# KiCad board LI-ION_Charger.kicad_pcb (continued)
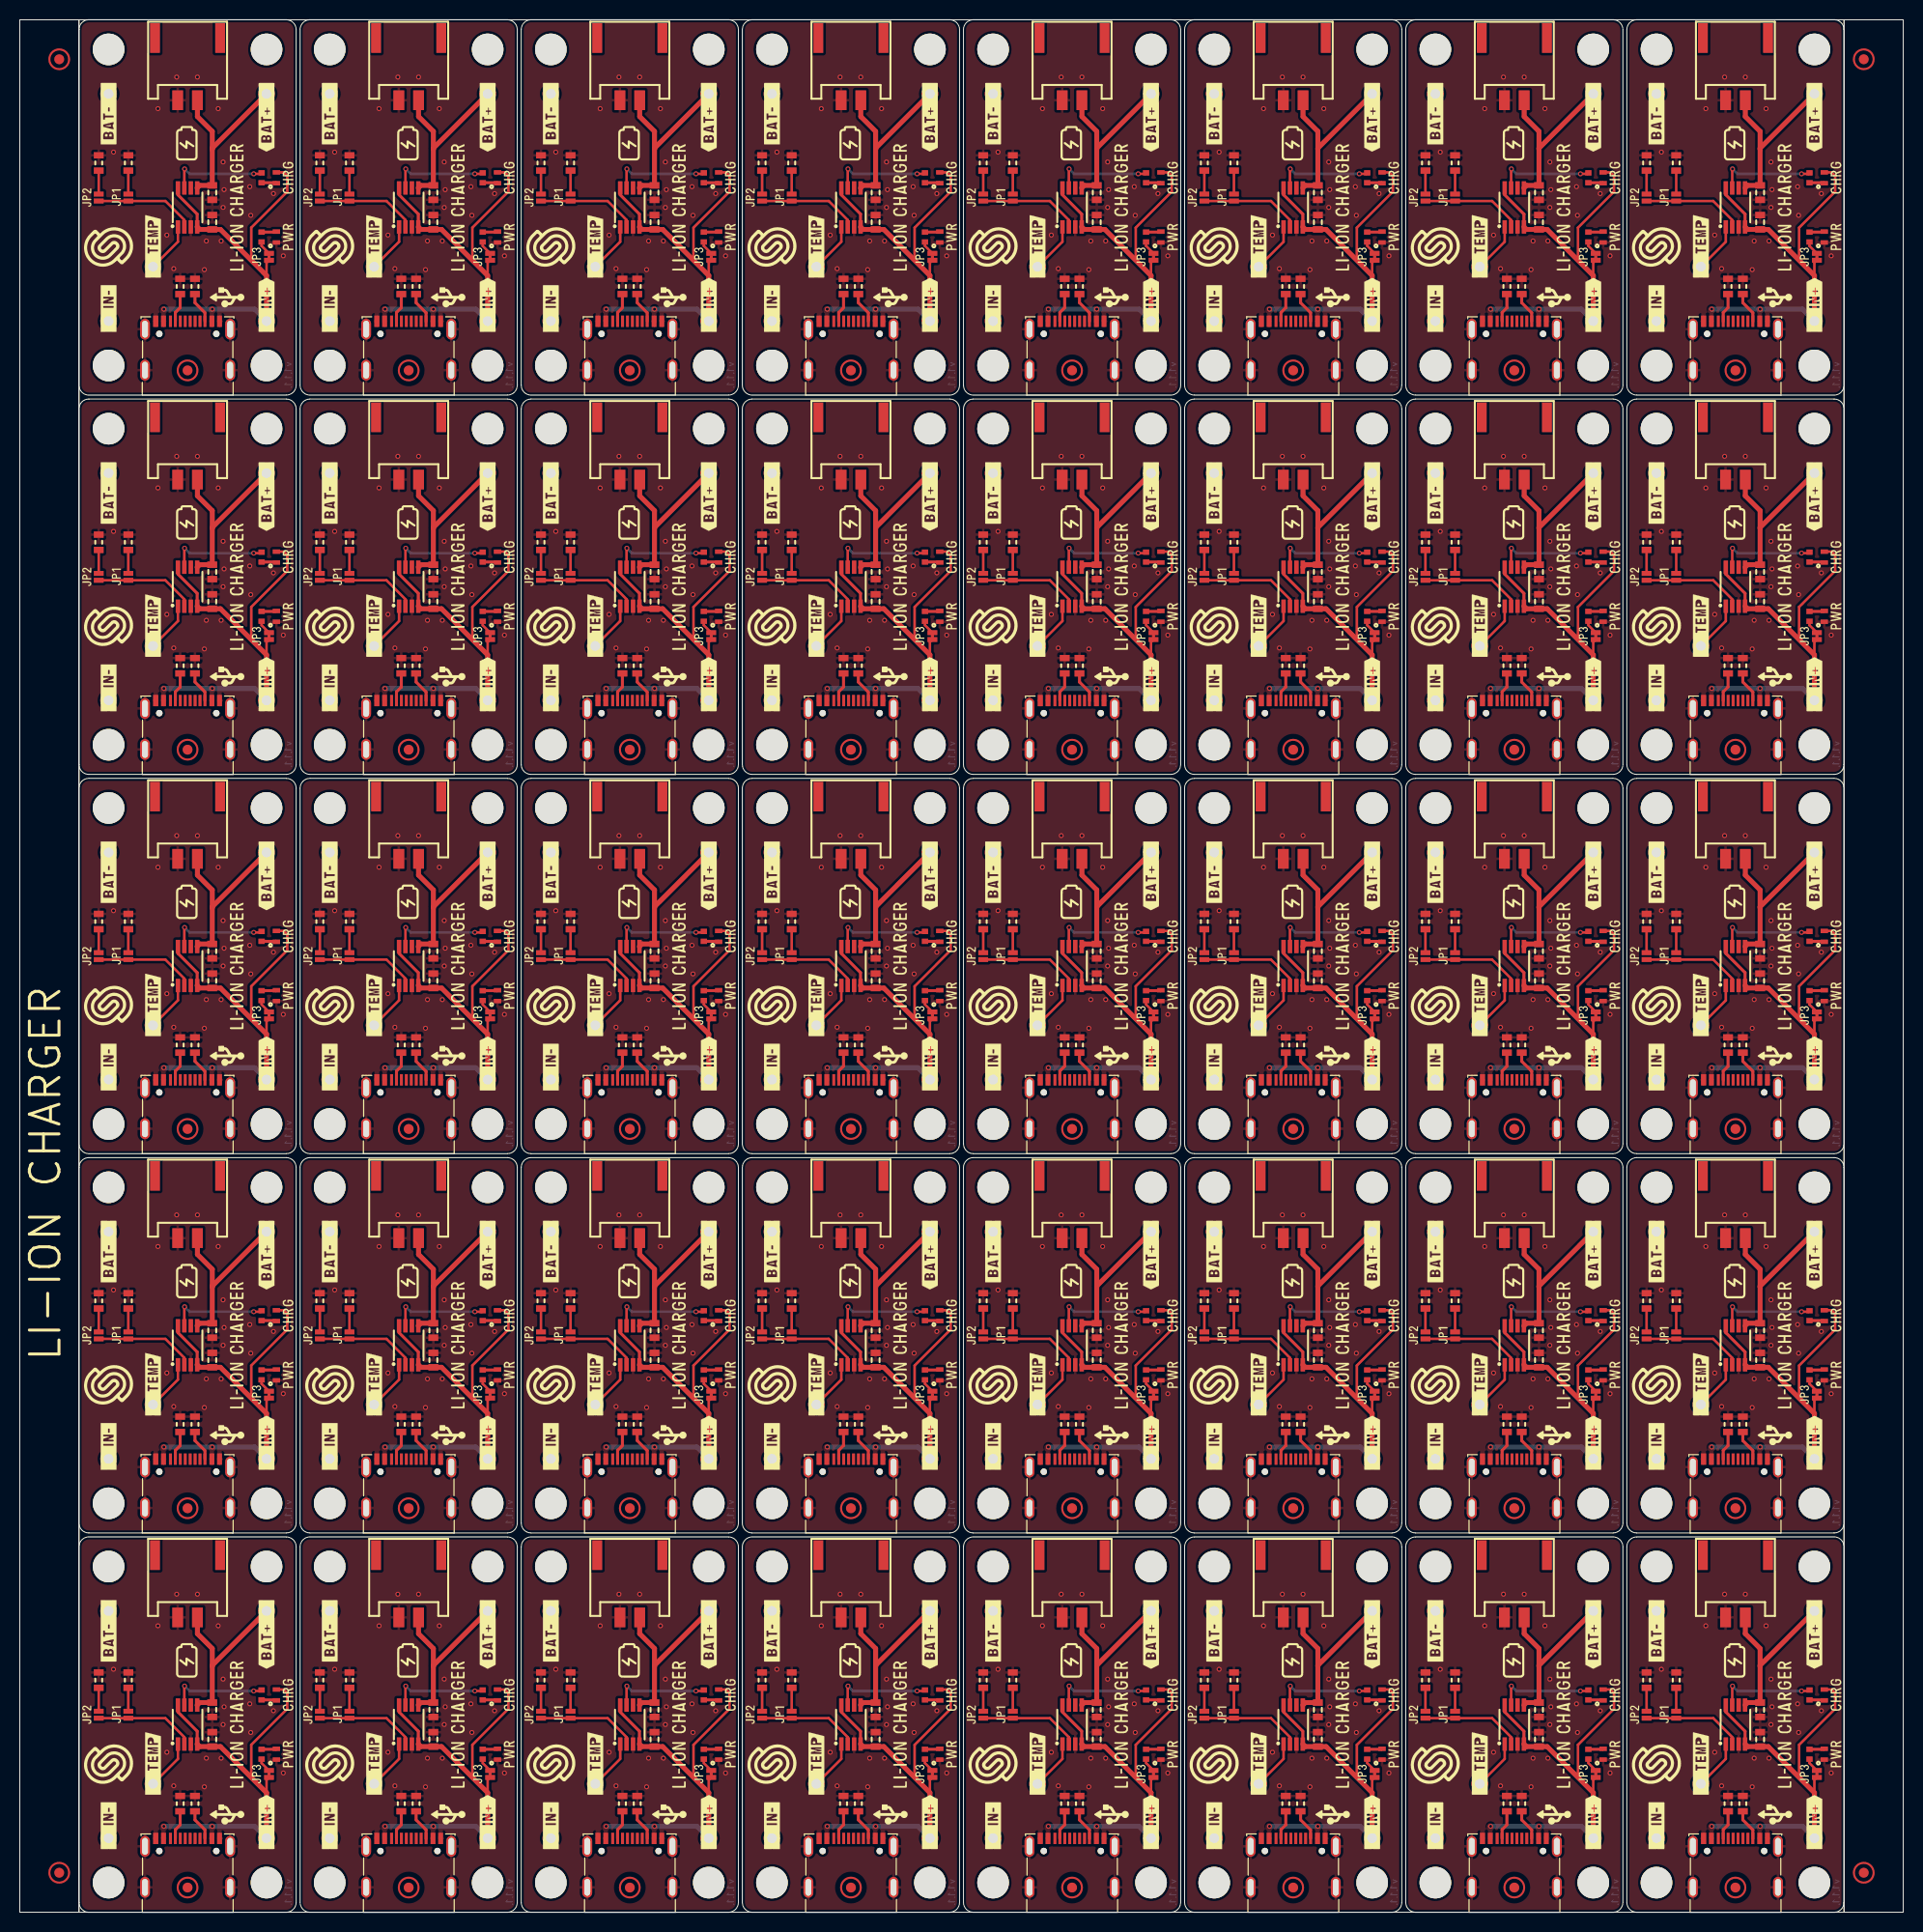
[diagram p0: board, top side]
## Placement (name value [footprint] x y rotation side) (continued)
H1#5  -  [HOLE_3.2mm]  9 35 0 top
H1#6  -  [HOLE_3.2mm]  98.6 35 0 top
H1#7  -  [HOLE_3.2mm]  9 111.8 0 top
H1#8  -  [HOLE_3.2mm]  165.8 111.8 0 top
H1#9  -  [HOLE_3.2mm]  98.6 188.6 0 top
H1#10  -  [HOLE_3.2mm]  143.4 150.2 0 top
H1#11  -  [HOLE_3.2mm]  76.2 35 0 top
H1#12  -  [HOLE_3.2mm]  143.4 111.8 0 top
H1#13  -  [HOLE_3.2mm]  143.4 188.6 0 top
H1#14  -  [HOLE_3.2mm]  121 35 0 top
H1#15  -  [HOLE_3.2mm]  121 150.2 0 top
H1#16  -  [HOLE_3.2mm]  143.4 73.4 0 top
H1#17  -  [HOLE_3.2mm]  121 188.6 0 top
H1#18  -  [HOLE_3.2mm]  76.2 150.2 0 top
H1#19  -  [HOLE_3.2mm]  165.8 73.4 0 top
H1#20  -  [HOLE_3.2mm]  165.8 188.6 0 top
H1#21  -  [HOLE_3.2mm]  53.8 111.8 0 top
H1#22  -  [HOLE_3.2mm]  31.4 35 0 top
H1#23  -  [HOLE_3.2mm]  121 111.8 0 top
H1#24  -  [HOLE_3.2mm]  143.4 35 0 top
H1#25  -  [HOLE_3.2mm]  76.2 188.6 0 top
H1#26  -  [HOLE_3.2mm]  76.2 73.4 0 top
H1#27  -  [HOLE_3.2mm]  31.4 73.4 0 top
H1#28  -  [HOLE_3.2mm]  53.8 150.2 0 top
H1#29  -  [HOLE_3.2mm]  165.8 150.2 0 top
H1#30  -  [HOLE_3.2mm]  53.8 73.4 0 top
H1#31  -  [HOLE_3.2mm]  76.2 111.8 0 top
H1#32  -  [HOLE_3.2mm]  53.8 35 0 top
H1#33  -  [HOLE_3.2mm]  9 150.2 0 top
H1#34  -  [HOLE_3.2mm]  9 73.4 0 top
H1#35  -  [HOLE_3.2mm]  31.4 150.2 0 top
H1#36  -  [HOLE_3.2mm]  9 188.6 0 top
H1#37  -  [HOLE_3.2mm]  98.6 73.4 0 top
H1#38  -  [HOLE_3.2mm]  165.8 35 0 top
H1#39  -  [HOLE_3.2mm]  31.4 111.8 0 top
H1#40  -  [HOLE_3.2mm]  53.8 188.6 0 top
H2  -  [HOLE_3.2mm]  9 3 0 top
H2#2  -  [HOLE_3.2mm]  53.8 3 0 top
H2#3  -  [HOLE_3.2mm]  31.4 156.6 0 top
H2#4  -  [HOLE_3.2mm]  31.4 79.8 0 top
H2#5  -  [HOLE_3.2mm]  165.8 3 0 top
H2#6  -  [HOLE_3.2mm]  143.4 3 0 top
H2#7  -  [HOLE_3.2mm]  121 118.2 0 top
H2#8  -  [HOLE_3.2mm]  98.6 156.6 0 top
H2#9  -  [HOLE_3.2mm]  121 79.8 0 top
H2#10  -  [HOLE_3.2mm]  9 118.2 0 top
H2#11  -  [HOLE_3.2mm]  165.8 118.2 0 top
H2#12  -  [HOLE_3.2mm]  53.8 118.2 0 top
H2#13  -  [HOLE_3.2mm]  98.6 41.4 0 top
H2#14  -  [HOLE_3.2mm]  76.2 3 0 top
H2#15  -  [HOLE_3.2mm]  98.6 3 0 top
H2#16  -  [HOLE_3.2mm]  31.4 3 0 top
H2#17  -  [HOLE_3.2mm]  31.4 41.4 0 top
H2#18  -  [HOLE_3.2mm]  9 41.4 0 top
H2#19  -  [HOLE_3.2mm]  121 41.4 0 top
H2#20  -  [HOLE_3.2mm]  31.4 118.2 0 top
H2#21  -  [HOLE_3.2mm]  76.2 41.4 0 top
H2#22  -  [HOLE_3.2mm]  143.4 118.2 0 top
H2#23  -  [HOLE_3.2mm]  143.4 156.6 0 top
H2#24  -  [HOLE_3.2mm]  9 156.6 0 top
H2#25  -  [HOLE_3.2mm]  98.6 118.2 0 top
H2#26  -  [HOLE_3.2mm]  98.6 79.8 0 top
H2#27  -  [HOLE_3.2mm]  9 79.8 0 top
H2#28  -  [HOLE_3.2mm]  165.8 79.8 0 top
H2#29  -  [HOLE_3.2mm]  143.4 41.4 0 top
H2#30  -  [HOLE_3.2mm]  76.2 156.6 0 top
H2#31  -  [HOLE_3.2mm]  121 3 0 top
H2#32  -  [HOLE_3.2mm]  143.4 79.8 0 top
H2#33  -  [HOLE_3.2mm]  165.8 41.4 0 top
H2#34  -  [HOLE_3.2mm]  53.8 79.8 0 top
H2#35  -  [HOLE_3.2mm]  121 156.6 0 top
H2#36  -  [HOLE_3.2mm]  53.8 156.6 0 top
H2#37  -  [HOLE_3.2mm]  76.2 79.8 0 top
H2#38  -  [HOLE_3.2mm]  165.8 156.6 0 top
H2#39  -  [HOLE_3.2mm]  76.2 118.2 0 top
H2#40  -  [HOLE_3.2mm]  53.8 41.4 0 top
H3  -  [HOLE_3.2mm]  69.8 111.8 0 top
H3#2  -  [HOLE_3.2mm]  25 73.4 0 top
H3#3  -  [HOLE_3.2mm]  69.8 188.6 0 top
H3#4  -  [HOLE_3.2mm]  181.8 73.4 0 top
H3#5  -  [HOLE_3.2mm]  92.2 35 0 top
H3#6  -  [HOLE_3.2mm]  137 188.6 0 top
H3#7  -  [HOLE_3.2mm]  47.4 73.4 0 top
H3#8  -  [HOLE_3.2mm]  92.2 73.4 0 top
H3#9  -  [HOLE_3.2mm]  92.2 111.8 0 top
H3#10  -  [HOLE_3.2mm]  181.8 188.6 0 top
H3#11  -  [HOLE_3.2mm]  181.8 35 0 top
H3#12  -  [HOLE_3.2mm]  137 35 0 top
H3#13  -  [HOLE_3.2mm]  159.4 35 0 top
H3#14  -  [HOLE_3.2mm]  25 150.2 0 top
H3#15  -  [HOLE_3.2mm]  25 35 0 top
H3#16  -  [HOLE_3.2mm]  92.2 188.6 0 top
H3#17  -  [HOLE_3.2mm]  92.2 150.2 0 top
H3#18  -  [HOLE_3.2mm]  69.8 73.4 0 top
H3#19  -  [HOLE_3.2mm]  114.6 73.4 0 top
H3#20  -  [HOLE_3.2mm]  47.4 35 0 top
H3#21  -  [HOLE_3.2mm]  114.6 150.2 0 top
H3#22  -  [HOLE_3.2mm]  159.4 111.8 0 top
H3#23  -  [HOLE_3.2mm]  137 73.4 0 top
H3#24  -  [HOLE_3.2mm]  181.8 150.2 0 top
H3#25  -  [HOLE_3.2mm]  25 111.8 0 top
H3#26  -  [HOLE_3.2mm]  159.4 73.4 0 top
H3#27  -  [HOLE_3.2mm]  114.6 35 0 top
H3#28  -  [HOLE_3.2mm]  137 111.8 0 top
H3#29  -  [HOLE_3.2mm]  137 150.2 0 top
H3#30  -  [HOLE_3.2mm]  47.4 150.2 0 top
H3#31  -  [HOLE_3.2mm]  181.8 111.8 0 top
H3#32  -  [HOLE_3.2mm]  47.4 188.6 0 top
H3#33  -  [HOLE_3.2mm]  47.4 111.8 0 top
H3#34  -  [HOLE_3.2mm]  159.4 188.6 0 top
H3#35  -  [HOLE_3.2mm]  69.8 35 0 top
H3#36  -  [HOLE_3.2mm]  114.6 188.6 0 top
H3#37  -  [HOLE_3.2mm]  114.6 111.8 0 top
H3#38  -  [HOLE_3.2mm]  69.8 150.2 0 top
H3#39  -  [HOLE_3.2mm]  25 188.6 0 top
H3#40  -  [HOLE_3.2mm]  159.4 150.2 0 top
H4  -  [HOLE_3.2mm]  114.6 3 0 top
H4#2  -  [HOLE_3.2mm]  114.6 118.2 0 top
H4#3  -  [HOLE_3.2mm]  159.4 79.8 0 top
H4#4  -  [HOLE_3.2mm]  47.4 41.4 0 top
H4#5  -  [HOLE_3.2mm]  159.4 3 0 top
H4#6  -  [HOLE_3.2mm]  25 79.8 0 top
H4#7  -  [HOLE_3.2mm]  159.4 41.4 0 top
H4#8  -  [HOLE_3.2mm]  47.4 118.2 0 top
H4#9  -  [HOLE_3.2mm]  92.2 118.2 0 top
H4#10  -  [HOLE_3.2mm]  137 3 0 top
H4#11  -  [HOLE_3.2mm]  137 79.8 0 top
H4#12  -  [HOLE_3.2mm]  25 156.6 0 top
H4#13  -  [HOLE_3.2mm]  69.8 156.6 0 top
H4#14  -  [HOLE_3.2mm]  114.6 41.4 0 top
H4#15  -  [HOLE_3.2mm]  137 41.4 0 top
H4#16  -  [HOLE_3.2mm]  69.8 41.4 0 top
H4#17  -  [HOLE_3.2mm]  25 3 0 top
H4#18  -  [HOLE_3.2mm]  47.4 3 0 top
H4#19  -  [HOLE_3.2mm]  92.2 156.6 0 top
H4#20  -  [HOLE_3.2mm]  181.8 156.6 0 top
H4#21  -  [HOLE_3.2mm]  181.8 118.2 0 top
H4#22  -  [HOLE_3.2mm]  25 118.2 0 top
H4#23  -  [HOLE_3.2mm]  92.2 41.4 0 top
H4#24  -  [HOLE_3.2mm]  92.2 3 0 top
H4#25  -  [HOLE_3.2mm]  47.4 156.6 0 top
H4#26  -  [HOLE_3.2mm]  181.8 79.8 0 top
H4#27  -  [HOLE_3.2mm]  137 118.2 0 top
H4#28  -  [HOLE_3.2mm]  114.6 79.8 0 top
H4#29  -  [HOLE_3.2mm]  25 41.4 0 top
H4#30  -  [HOLE_3.2mm]  69.8 118.2 0 top
H4#31  -  [HOLE_3.2mm]  181.8 3 0 top
H4#32  -  [HOLE_3.2mm]  69.8 3 0 top
H4#33  -  [HOLE_3.2mm]  47.4 79.8 0 top
H4#34  -  [HOLE_3.2mm]  159.4 156.6 0 top
H4#35  -  [HOLE_3.2mm]  114.6 156.6 0 top
H4#36  -  [HOLE_3.2mm]  92.2 79.8 0 top
H4#37  -  [HOLE_3.2mm]  137 156.6 0 top
H4#38  -  [HOLE_3.2mm]  181.8 41.4 0 top
H4#39  -  [HOLE_3.2mm]  159.4 118.2 0 top
H4#40  -  [HOLE_3.2mm]  69.8 79.8 0 top
JP1  -  [SMD_JUMPER]  78.2 96.8 270 top
JP1#2  -  [SMD_JUMPER]  145.4 58.4 270 top
JP1#3  -  [SMD_JUMPER]  100.6 58.4 270 top
JP1#4  -  [SMD_JUMPER]  167.8 173.6 270 top
JP1#5  -  [SMD_JUMPER]  100.6 96.8 270 top
JP1#6  -  [SMD_JUMPER]  123 20 270 top
JP1#7  -  [SMD_JUMPER]  11 173.6 270 top
JP1#8  -  [SMD_JUMPER]  145.4 20 270 top
JP1#9  -  [SMD_JUMPER]  33.4 58.4 270 top
JP1#10  -  [SMD_JUMPER]  78.2 173.6 270 top
JP1#11  -  [SMD_JUMPER]  100.6 173.6 270 top
JP1#12  -  [SMD_JUMPER]  33.4 173.6 270 top
JP1#13  -  [SMD_JUMPER]  100.6 135.2 270 top
JP1#14  -  [SMD_JUMPER]  11 58.4 270 top
JP1#15  -  [SMD_JUMPER]  33.4 96.8 270 top
JP1#16  -  [SMD_JUMPER]  55.8 173.6 270 top
JP1#17  -  [SMD_JUMPER]  167.8 58.4 270 top
JP1#18  -  [SMD_JUMPER]  167.8 96.8 270 top
JP1#19  -  [SMD_JUMPER]  33.4 135.2 270 top
JP1#20  -  [SMD_JUMPER]  55.8 135.2 270 top
JP1#21  -  [SMD_JUMPER]  145.4 135.2 270 top
JP1#22  -  [SMD_JUMPER]  145.4 96.8 270 top
JP1#23  -  [SMD_JUMPER]  55.8 20 270 top
JP1#24  -  [SMD_JUMPER]  11 20 270 top
JP1#25  -  [SMD_JUMPER]  78.2 20 270 top
JP1#26  -  [SMD_JUMPER]  167.8 135.2 270 top
JP1#27  -  [SMD_JUMPER]  167.8 20 270 top
JP1#28  -  [SMD_JUMPER]  123 58.4 270 top
JP1#29  -  [SMD_JUMPER]  123 173.6 270 top
JP1#30  -  [SMD_JUMPER]  78.2 58.4 270 top
JP1#31  -  [SMD_JUMPER]  78.2 135.2 270 top
JP1#32  -  [SMD_JUMPER]  145.4 173.6 270 top
JP1#33  -  [SMD_JUMPER]  55.8 96.8 270 top
JP1#34  -  [SMD_JUMPER]  123 135.2 270 top
JP1#35  -  [SMD_JUMPER]  11 135.2 270 top
JP1#36  -  [SMD_JUMPER]  33.4 20 270 top
JP1#37  -  [SMD_JUMPER]  123 96.8 270 top
JP1#38  -  [SMD_JUMPER]  55.8 58.4 270 top
JP1#39  -  [SMD_JUMPER]  100.6 20 270 top
JP1#40  -  [SMD_JUMPER]  11 96.8 270 top
JP2  SMD-JUMPER-CONNECTED  [SMD_JUMPER_CONNECTED]  97.6 135.2 270 top
JP2#2  SMD-JUMPER-CONNECTED  [SMD_JUMPER_CONNECTED]  52.8 96.8 270 top
JP2#3  SMD-JUMPER-CONNECTED  [SMD_JUMPER_CONNECTED]  120 135.2 270 top
JP2#4  SMD-JUMPER-CONNECTED  [SMD_JUMPER_CONNECTED]  30.4 96.8 270 top
JP2#5  SMD-JUMPER-CONNECTED  [SMD_JUMPER_CONNECTED]  120 20 270 top
JP2#6  SMD-JUMPER-CONNECTED  [SMD_JUMPER_CONNECTED]  97.6 96.8 270 top
JP2#7  SMD-JUMPER-CONNECTED  [SMD_JUMPER_CONNECTED]  8 58.4 270 top
JP2#8  SMD-JUMPER-CONNECTED  [SMD_JUMPER_CONNECTED]  120 96.8 270 top
JP2#9  SMD-JUMPER-CONNECTED  [SMD_JUMPER_CONNECTED]  164.8 135.2 270 top
JP2#10  SMD-JUMPER-CONNECTED  [SMD_JUMPER_CONNECTED]  164.8 173.6 270 top
JP2#11  SMD-JUMPER-CONNECTED  [SMD_JUMPER_CONNECTED]  75.2 58.4 270 top
JP2#12  SMD-JUMPER-CONNECTED  [SMD_JUMPER_CONNECTED]  164.8 96.8 270 top
JP2#13  SMD-JUMPER-CONNECTED  [SMD_JUMPER_CONNECTED]  142.4 58.4 270 top
JP2#14  SMD-JUMPER-CONNECTED  [SMD_JUMPER_CONNECTED]  142.4 135.2 270 top
JP2#15  SMD-JUMPER-CONNECTED  [SMD_JUMPER_CONNECTED]  142.4 96.8 270 top
JP2#16  SMD-JUMPER-CONNECTED  [SMD_JUMPER_CONNECTED]  75.2 20 270 top
JP2#17  SMD-JUMPER-CONNECTED  [SMD_JUMPER_CONNECTED]  142.4 20 270 top
JP2#18  SMD-JUMPER-CONNECTED  [SMD_JUMPER_CONNECTED]  52.8 135.2 270 top
JP2#19  SMD-JUMPER-CONNECTED  [SMD_JUMPER_CONNECTED]  164.8 20 270 top
JP2#20  SMD-JUMPER-CONNECTED  [SMD_JUMPER_CONNECTED]  30.4 58.4 270 top
JP2#21  SMD-JUMPER-CONNECTED  [SMD_JUMPER_CONNECTED]  52.8 20 270 top
JP2#22  SMD-JUMPER-CONNECTED  [SMD_JUMPER_CONNECTED]  75.2 96.8 270 top
JP2#23  SMD-JUMPER-CONNECTED  [SMD_JUMPER_CONNECTED]  120 58.4 270 top
JP2#24  SMD-JUMPER-CONNECTED  [SMD_JUMPER_CONNECTED]  142.4 173.6 270 top
JP2#25  SMD-JUMPER-CONNECTED  [SMD_JUMPER_CONNECTED]  8 20 270 top
JP2#26  SMD-JUMPER-CONNECTED  [SMD_JUMPER_CONNECTED]  52.8 173.6 270 top
JP2#27  SMD-JUMPER-CONNECTED  [SMD_JUMPER_CONNECTED]  97.6 20 270 top
JP2#28  SMD-JUMPER-CONNECTED  [SMD_JUMPER_CONNECTED]  75.2 173.6 270 top
JP2#29  SMD-JUMPER-CONNECTED  [SMD_JUMPER_CONNECTED]  8 135.2 270 top
JP2#30  SMD-JUMPER-CONNECTED  [SMD_JUMPER_CONNECTED]  30.4 20 270 top
JP2#31  SMD-JUMPER-CONNECTED  [SMD_JUMPER_CONNECTED]  97.6 58.4 270 top
JP2#32  SMD-JUMPER-CONNECTED  [SMD_JUMPER_CONNECTED]  8 173.6 270 top
JP2#33  SMD-JUMPER-CONNECTED  [SMD_JUMPER_CONNECTED]  52.8 58.4 270 top
JP2#34  SMD-JUMPER-CONNECTED  [SMD_JUMPER_CONNECTED]  30.4 173.6 270 top
JP2#35  SMD-JUMPER-CONNECTED  [SMD_JUMPER_CONNECTED]  8 96.8 270 top
JP2#36  SMD-JUMPER-CONNECTED  [SMD_JUMPER_CONNECTED]  30.4 135.2 270 top
JP2#37  SMD-JUMPER-CONNECTED  [SMD_JUMPER_CONNECTED]  120 173.6 270 top
JP2#38  SMD-JUMPER-CONNECTED  [SMD_JUMPER_CONNECTED]  75.2 135.2 270 top
JP2#39  SMD-JUMPER-CONNECTED  [SMD_JUMPER_CONNECTED]  97.6 173.6 270 top
JP2#40  SMD-JUMPER-CONNECTED  [SMD_JUMPER_CONNECTED]  164.8 58.4 270 top
JP3  -  [SMD-JUMPER-CONNECTED_TRACE_SLODERMASK]  182.05 129.2 90 top
JP3#2  -  [SMD-JUMPER-CONNECTED_TRACE_SLODERMASK]  182.05 52.4 90 top
JP3#3  -  [SMD-JUMPER-CONNECTED_TRACE_SLODERMASK]  25.25 14 90 top
JP3#4  -  [SMD-JUMPER-CONNECTED_TRACE_SLODERMASK]  25.25 52.4 90 top
JP3#5  -  [SMD-JUMPER-CONNECTED_TRACE_SLODERMASK]  182.05 14 90 top
JP3#6  -  [SMD-JUMPER-CONNECTED_TRACE_SLODERMASK]  114.85 167.6 90 top
JP3#7  -  [SMD-JUMPER-CONNECTED_TRACE_SLODERMASK]  47.65 52.4 90 top
JP3#8  -  [SMD-JUMPER-CONNECTED_TRACE_SLODERMASK]  47.65 14 90 top
JP3#9  -  [SMD-JUMPER-CONNECTED_TRACE_SLODERMASK]  25.25 129.2 90 top
JP3#10  -  [SMD-JUMPER-CONNECTED_TRACE_SLODERMASK]  25.25 90.8 90 top
JP3#11  -  [SMD-JUMPER-CONNECTED_TRACE_SLODERMASK]  114.85 90.8 90 top
JP3#12  -  [SMD-JUMPER-CONNECTED_TRACE_SLODERMASK]  114.85 129.2 90 top
JP3#13  -  [SMD-JUMPER-CONNECTED_TRACE_SLODERMASK]  70.05 167.6 90 top
JP3#14  -  [SMD-JUMPER-CONNECTED_TRACE_SLODERMASK]  47.65 90.8 90 top
JP3#15  -  [SMD-JUMPER-CONNECTED_TRACE_SLODERMASK]  159.65 167.6 90 top
JP3#16  -  [SMD-JUMPER-CONNECTED_TRACE_SLODERMASK]  92.45 167.6 90 top
JP3#17  -  [SMD-JUMPER-CONNECTED_TRACE_SLODERMASK]  70.05 52.4 90 top
JP3#18  -  [SMD-JUMPER-CONNECTED_TRACE_SLODERMASK]  92.45 52.4 90 top
JP3#19  -  [SMD-JUMPER-CONNECTED_TRACE_SLODERMASK]  137.25 129.2 90 top
JP3#20  -  [SMD-JUMPER-CONNECTED_TRACE_SLODERMASK]  159.65 14 90 top
JP3#21  -  [SMD-JUMPER-CONNECTED_TRACE_SLODERMASK]  47.65 129.2 90 top
JP3#22  -  [SMD-JUMPER-CONNECTED_TRACE_SLODERMASK]  159.65 52.4 90 top
JP3#23  -  [SMD-JUMPER-CONNECTED_TRACE_SLODERMASK]  70.05 14 90 top
JP3#24  -  [SMD-JUMPER-CONNECTED_TRACE_SLODERMASK]  182.05 90.8 90 top
JP3#25  -  [SMD-JUMPER-CONNECTED_TRACE_SLODERMASK]  70.05 90.8 90 top
JP3#26  -  [SMD-JUMPER-CONNECTED_TRACE_SLODERMASK]  137.25 52.4 90 top
JP3#27  -  [SMD-JUMPER-CONNECTED_TRACE_SLODERMASK]  70.05 129.2 90 top
JP3#28  -  [SMD-JUMPER-CONNECTED_TRACE_SLODERMASK]  137.25 167.6 90 top
JP3#29  -  [SMD-JUMPER-CONNECTED_TRACE_SLODERMASK]  137.25 90.8 90 top
JP3#30  -  [SMD-JUMPER-CONNECTED_TRACE_SLODERMASK]  92.45 90.8 90 top
JP3#31  -  [SMD-JUMPER-CONNECTED_TRACE_SLODERMASK]  182.05 167.6 90 top
JP3#32  -  [SMD-JUMPER-CONNECTED_TRACE_SLODERMASK]  114.85 14 90 top
JP3#33  -  [SMD-JUMPER-CONNECTED_TRACE_SLODERMASK]  159.65 90.8 90 top
JP3#34  -  [SMD-JUMPER-CONNECTED_TRACE_SLODERMASK]  92.45 14 90 top
JP3#35  -  [SMD-JUMPER-CONNECTED_TRACE_SLODERMASK]  25.25 167.6 90 top
JP3#36  -  [SMD-JUMPER-CONNECTED_TRACE_SLODERMASK]  92.45 129.2 90 top
JP3#37  -  [SMD-JUMPER-CONNECTED_TRACE_SLODERMASK]  137.25 14 90 top
JP3#38  -  [SMD-JUMPER-CONNECTED_TRACE_SLODERMASK]  47.65 167.6 90 top
JP3#39  -  [SMD-JUMPER-CONNECTED_TRACE_SLODERMASK]  114.85 52.4 90 top
JP3#40  -  [SMD-JUMPER-CONNECTED_TRACE_SLODERMASK]  159.65 129.2 90 top
K1  -  [U262-161N-4BVC11]  173.8 43.4 0 top
K1#2  -  [U262-161N-4BVC11]  39.4 158.6 0 top
K1#3  -  [U262-161N-4BVC11]  39.4 81.8 0 top
K1#4  -  [U262-161N-4BVC11]  106.6 5 0 top
K1#5  -  [U262-161N-4BVC11]  151.4 5 0 top
K1#6  -  [U262-161N-4BVC11]  129 43.4 0 top
K1#7  -  [U262-161N-4BVC11]  84.2 158.6 0 top
K1#8  -  [U262-161N-4BVC11]  61.8 5 0 top
K1#9  -  [U262-161N-4BVC11]  39.4 120.2 0 top
K1#10  -  [U262-161N-4BVC11]  129 81.8 0 top
K1#11  -  [U262-161N-4BVC11]  61.8 43.4 0 top
K1#12  -  [U262-161N-4BVC11]  151.4 81.8 0 top
K1#13  -  [U262-161N-4BVC11]  84.2 81.8 0 top
K1#14  -  [U262-161N-4BVC11]  61.8 158.6 0 top
K1#15  -  [U262-161N-4BVC11]  61.8 120.2 0 top
K1#16  -  [U262-161N-4BVC11]  129 5 0 top
K1#17  -  [U262-161N-4BVC11]  17 158.6 0 top
K1#18  -  [U262-161N-4BVC11]  17 120.2 0 top
K1#19  -  [U262-161N-4BVC11]  17 43.4 0 top
K1#20  -  [U262-161N-4BVC11]  84.2 43.4 0 top
K1#21  -  [U262-161N-4BVC11]  106.6 158.6 0 top
K1#22  -  [U262-161N-4BVC11]  84.2 120.2 0 top
K1#23  -  [U262-161N-4BVC11]  173.8 81.8 0 top
K1#24  -  [U262-161N-4BVC11]  84.2 5 0 top
K1#25  -  [U262-161N-4BVC11]  151.4 43.4 0 top
K1#26  -  [U262-161N-4BVC11]  106.6 43.4 0 top
K1#27  -  [U262-161N-4BVC11]  17 5 0 top
K1#28  -  [U262-161N-4BVC11]  17 81.8 0 top
K1#29  -  [U262-161N-4BVC11]  173.8 158.6 0 top
K1#30  -  [U262-161N-4BVC11]  61.8 81.8 0 top
K1#31  -  [U262-161N-4BVC11]  39.4 43.4 0 top
K1#32  -  [U262-161N-4BVC11]  129 158.6 0 top
K1#33  -  [U262-161N-4BVC11]  106.6 81.8 0 top
K1#34  -  [U262-161N-4BVC11]  173.8 120.2 0 top
K1#35  -  [U262-161N-4BVC11]  129 120.2 0 top
K1#36  -  [U262-161N-4BVC11]  106.6 120.2 0 top
K1#37  -  [U262-161N-4BVC11]  39.4 5 0 top
K1#38  -  [U262-161N-4BVC11]  151.4 158.6 0 top
K1#39  -  [U262-161N-4BVC11]  173.8 5 0 top
K1#40  -  [U262-161N-4BVC11]  151.4 120.2 0 top
K2  -  [HEADER_MALE_1X1]  137 122.7 180 bottom
K2#2  -  [HEADER_MALE_1X1]  47.4 84.3 180 bottom
K2#3  -  [HEADER_MALE_1X1]  159.4 122.7 180 bottom
K2#4  -  [HEADER_MALE_1X1]  181.8 45.9 180 bottom
K2#5  -  [HEADER_MALE_1X1]  137 161.1 180 bottom
K2#6  -  [HEADER_MALE_1X1]  159.4 84.3 180 bottom
K2#7  -  [HEADER_MALE_1X1]  137 7.5 180 bottom
K2#8  -  [HEADER_MALE_1X1]  47.4 7.5 180 bottom
K2#9  -  [HEADER_MALE_1X1]  159.4 161.1 180 bottom
K2#10  -  [HEADER_MALE_1X1]  25 7.5 180 bottom
K2#11  -  [HEADER_MALE_1X1]  92.2 84.3 180 bottom
K2#12  -  [HEADER_MALE_1X1]  181.8 122.7 180 bottom
K2#13  -  [HEADER_MALE_1X1]  25 122.7 180 bottom
K2#14  -  [HEADER_MALE_1X1]  92.2 7.5 180 bottom
K2#15  -  [HEADER_MALE_1X1]  114.6 84.3 180 bottom
K2#16  -  [HEADER_MALE_1X1]  47.4 45.9 180 bottom
K2#17  -  [HEADER_MALE_1X1]  25 161.1 180 bottom
K2#18  -  [HEADER_MALE_1X1]  69.8 84.3 180 bottom
K2#19  -  [HEADER_MALE_1X1]  92.2 122.7 180 bottom
K2#20  -  [HEADER_MALE_1X1]  114.6 45.9 180 bottom
K2#21  -  [HEADER_MALE_1X1]  181.8 161.1 180 bottom
K2#22  -  [HEADER_MALE_1X1]  114.6 7.5 180 bottom
K2#23  -  [HEADER_MALE_1X1]  137 84.3 180 bottom
K2#24  -  [HEADER_MALE_1X1]  137 45.9 180 bottom
K2#25  -  [HEADER_MALE_1X1]  181.8 7.5 180 bottom
K2#26  -  [HEADER_MALE_1X1]  181.8 84.3 180 bottom
K2#27  -  [HEADER_MALE_1X1]  159.4 45.9 180 bottom
K2#28  -  [HEADER_MALE_1X1]  69.8 122.7 180 bottom
K2#29  -  [HEADER_MALE_1X1]  25 45.9 180 bottom
K2#30  -  [HEADER_MALE_1X1]  25 84.3 180 bottom
K2#31  -  [HEADER_MALE_1X1]  69.8 45.9 180 bottom
K2#32  -  [HEADER_MALE_1X1]  69.8 161.1 180 bottom
K2#33  -  [HEADER_MALE_1X1]  114.6 122.7 180 bottom
K2#34  -  [HEADER_MALE_1X1]  114.6 161.1 180 bottom
K2#35  -  [HEADER_MALE_1X1]  92.2 161.1 180 bottom
K2#36  -  [HEADER_MALE_1X1]  47.4 161.1 180 bottom
K2#37  -  [HEADER_MALE_1X1]  47.4 122.7 180 bottom
K2#38  -  [HEADER_MALE_1X1]  92.2 45.9 180 bottom
K2#39  -  [HEADER_MALE_1X1]  159.4 7.5 180 bottom
K2#40  -  [HEADER_MALE_1X1]  69.8 7.5 180 bottom
K3  -  [HEADER_MALE_1X1]  121 161.1 180 bottom
K3#2  -  [HEADER_MALE_1X1]  9 84.3 180 bottom
K3#3  -  [HEADER_MALE_1X1]  98.6 161.1 180 bottom
K3#4  -  [HEADER_MALE_1X1]  165.8 45.9 180 bottom
K3#5  -  [HEADER_MALE_1X1]  76.2 84.3 180 bottom
K3#6  -  [HEADER_MALE_1X1]  143.4 122.7 180 bottom
K3#7  -  [HEADER_MALE_1X1]  9 45.9 180 bottom
K3#8  -  [HEADER_MALE_1X1]  31.4 122.7 180 bottom
K3#9  -  [HEADER_MALE_1X1]  165.8 122.7 180 bottom
K3#10  -  [HEADER_MALE_1X1]  76.2 122.7 180 bottom
K3#11  -  [HEADER_MALE_1X1]  121 122.7 180 bottom
K3#12  -  [HEADER_MALE_1X1]  76.2 45.9 180 bottom
K3#13  -  [HEADER_MALE_1X1]  98.6 84.3 180 bottom
K3#14  -  [HEADER_MALE_1X1]  9 7.5 180 bottom
K3#15  -  [HEADER_MALE_1X1]  165.8 84.3 180 bottom
K3#16  -  [HEADER_MALE_1X1]  53.8 161.1 180 bottom
K3#17  -  [HEADER_MALE_1X1]  53.8 7.5 180 bottom
K3#18  -  [HEADER_MALE_1X1]  98.6 122.7 180 bottom
K3#19  -  [HEADER_MALE_1X1]  76.2 7.5 180 bottom
K3#20  -  [HEADER_MALE_1X1]  165.8 161.1 180 bottom
K3#21  -  [HEADER_MALE_1X1]  53.8 45.9 180 bottom
K3#22  -  [HEADER_MALE_1X1]  76.2 161.1 180 bottom
K3#23  -  [HEADER_MALE_1X1]  121 84.3 180 bottom
K3#24  -  [HEADER_MALE_1X1]  98.6 45.9 180 bottom
K3#25  -  [HEADER_MALE_1X1]  143.4 45.9 180 bottom
K3#26  -  [HEADER_MALE_1X1]  31.4 7.5 180 bottom
K3#27  -  [HEADER_MALE_1X1]  121 7.5 180 bottom
K3#28  -  [HEADER_MALE_1X1]  143.4 84.3 180 bottom
K3#29  -  [HEADER_MALE_1X1]  31.4 161.1 180 bottom
K3#30  -  [HEADER_MALE_1X1]  31.4 84.3 180 bottom
K3#31  -  [HEADER_MALE_1X1]  98.6 7.5 180 bottom
K3#32  -  [HEADER_MALE_1X1]  143.4 161.1 180 bottom
K3#33  -  [HEADER_MALE_1X1]  143.4 7.5 180 bottom
K3#34  -  [HEADER_MALE_1X1]  9 161.1 180 bottom
K3#35  -  [HEADER_MALE_1X1]  53.8 122.7 180 bottom
K3#36  -  [HEADER_MALE_1X1]  31.4 45.9 180 bottom
K3#37  -  [HEADER_MALE_1X1]  53.8 84.3 180 bottom
K3#38  -  [HEADER_MALE_1X1]  121 45.9 180 bottom
K3#39  -  [HEADER_MALE_1X1]  165.8 7.5 180 bottom
K3#40  -  [HEADER_MALE_1X1]  9 122.7 180 bottom
K4  -  [HEADER_MALE_1X1]  35.9 89.8 0 top
K4#2  -  [HEADER_MALE_1X1]  147.9 13 0 top
K4#3  -  [HEADER_MALE_1X1]  125.5 51.4 0 top
K4#4  -  [HEADER_MALE_1X1]  58.3 166.6 0 top
K4#5  -  [HEADER_MALE_1X1]  35.9 128.2 0 top
K4#6  -  [HEADER_MALE_1X1]  103.1 13 0 top
K4#7  -  [HEADER_MALE_1X1]  170.3 166.6 0 top
K4#8  -  [HEADER_MALE_1X1]  35.9 166.6 0 top
K4#9  -  [HEADER_MALE_1X1]  147.9 128.2 0 top
K4#10  -  [HEADER_MALE_1X1]  35.9 51.4 0 top
K4#11  -  [HEADER_MALE_1X1]  13.5 128.2 0 top
K4#12  -  [HEADER_MALE_1X1]  80.7 128.2 0 top
K4#13  -  [HEADER_MALE_1X1]  58.3 51.4 0 top
K4#14  -  [HEADER_MALE_1X1]  80.7 89.8 0 top
K4#15  -  [HEADER_MALE_1X1]  170.3 51.4 0 top
K4#16  -  [HEADER_MALE_1X1]  125.5 166.6 0 top
K4#17  -  [HEADER_MALE_1X1]  170.3 13 0 top
K4#18  -  [HEADER_MALE_1X1]  103.1 166.6 0 top
K4#19  -  [HEADER_MALE_1X1]  147.9 51.4 0 top
K4#20  -  [HEADER_MALE_1X1]  103.1 51.4 0 top
K4#21  -  [HEADER_MALE_1X1]  147.9 89.8 0 top
K4#22  -  [HEADER_MALE_1X1]  80.7 166.6 0 top
K4#23  -  [HEADER_MALE_1X1]  13.5 166.6 0 top
K4#24  -  [HEADER_MALE_1X1]  80.7 51.4 0 top
K4#25  -  [HEADER_MALE_1X1]  125.5 89.8 0 top
K4#26  -  [HEADER_MALE_1X1]  35.9 13 0 top
K4#27  -  [HEADER_MALE_1X1]  58.3 89.8 0 top
K4#28  -  [HEADER_MALE_1X1]  125.5 128.2 0 top
K4#29  -  [HEADER_MALE_1X1]  13.5 89.8 0 top
K4#30  -  [HEADER_MALE_1X1]  80.7 13 0 top
K4#31  -  [HEADER_MALE_1X1]  147.9 166.6 0 top
K4#32  -  [HEADER_MALE_1X1]  58.3 128.2 0 top
K4#33  -  [HEADER_MALE_1X1]  103.1 89.8 0 top
K4#34  -  [HEADER_MALE_1X1]  125.5 13 0 top
K4#35  -  [HEADER_MALE_1X1]  103.1 128.2 0 top
K4#36  -  [HEADER_MALE_1X1]  13.5 51.4 0 top
K4#37  -  [HEADER_MALE_1X1]  170.3 89.8 0 top
K4#38  -  [HEADER_MALE_1X1]  58.3 13 0 top
K4#39  -  [HEADER_MALE_1X1]  170.3 128.2 0 top
K4#40  -  [HEADER_MALE_1X1]  13.5 13 0 top
K5  -  [HEADER_MALE_1X1]  159.4 68.9 180 bottom
K5#2  -  [HEADER_MALE_1X1]  47.4 107.3 180 bottom
K5#3  -  [HEADER_MALE_1X1]  25 145.7 180 bottom
K5#4  -  [HEADER_MALE_1X1]  69.8 107.3 180 bottom
K5#5  -  [HEADER_MALE_1X1]  114.6 30.5 180 bottom
K5#6  -  [HEADER_MALE_1X1]  69.8 68.9 180 bottom
K5#7  -  [HEADER_MALE_1X1]  47.4 68.9 180 bottom
K5#8  -  [HEADER_MALE_1X1]  159.4 184.1 180 bottom
K5#9  -  [HEADER_MALE_1X1]  47.4 184.1 180 bottom
K5#10  -  [HEADER_MALE_1X1]  47.4 30.5 180 bottom
K5#11  -  [HEADER_MALE_1X1]  92.2 145.7 180 bottom
K5#12  -  [HEADER_MALE_1X1]  25 107.3 180 bottom
K5#13  -  [HEADER_MALE_1X1]  92.2 184.1 180 bottom
K5#14  -  [HEADER_MALE_1X1]  69.8 30.5 180 bottom
K5#15  -  [HEADER_MALE_1X1]  92.2 107.3 180 bottom
K5#16  -  [HEADER_MALE_1X1]  114.6 107.3 180 bottom
K5#17  -  [HEADER_MALE_1X1]  181.8 30.5 180 bottom
K5#18  -  [HEADER_MALE_1X1]  181.8 184.1 180 bottom
K5#19  -  [HEADER_MALE_1X1]  181.8 145.7 180 bottom
K5#20  -  [HEADER_MALE_1X1]  69.8 145.7 180 bottom
K5#21  -  [HEADER_MALE_1X1]  92.2 30.5 180 bottom
K5#22  -  [HEADER_MALE_1X1]  159.4 30.5 180 bottom
K5#23  -  [HEADER_MALE_1X1]  137 107.3 180 bottom
K5#24  -  [HEADER_MALE_1X1]  137 68.9 180 bottom
K5#25  -  [HEADER_MALE_1X1]  114.6 68.9 180 bottom
K5#26  -  [HEADER_MALE_1X1]  159.4 107.3 180 bottom
K5#27  -  [HEADER_MALE_1X1]  92.2 68.9 180 bottom
K5#28  -  [HEADER_MALE_1X1]  25 30.5 180 bottom
K5#29  -  [HEADER_MALE_1X1]  114.6 145.7 180 bottom
K5#30  -  [HEADER_MALE_1X1]  181.8 107.3 180 bottom
K5#31  -  [HEADER_MALE_1X1]  25 184.1 180 bottom
K5#32  -  [HEADER_MALE_1X1]  114.6 184.1 180 bottom
K5#33  -  [HEADER_MALE_1X1]  25 68.9 180 bottom
K5#34  -  [HEADER_MALE_1X1]  69.8 184.1 180 bottom
K5#35  -  [HEADER_MALE_1X1]  159.4 145.7 180 bottom
K5#36  -  [HEADER_MALE_1X1]  47.4 145.7 180 bottom
K5#37  -  [HEADER_MALE_1X1]  137 145.7 180 bottom
K5#38  -  [HEADER_MALE_1X1]  137 30.5 180 bottom
K5#39  -  [HEADER_MALE_1X1]  181.8 68.9 180 bottom
K5#40  -  [HEADER_MALE_1X1]  137 184.1 180 bottom
K6  -  [HEADER_MALE_1X1]  98.6 145.7 180 bottom
K6#2  -  [HEADER_MALE_1X1]  76.2 68.9 180 bottom
K6#3  -  [HEADER_MALE_1X1]  31.4 68.9 180 bottom
K6#4  -  [HEADER_MALE_1X1]  165.8 184.1 180 bottom
K6#5  -  [HEADER_MALE_1X1]  53.8 184.1 180 bottom
K6#6  -  [HEADER_MALE_1X1]  31.4 184.1 180 bottom
K6#7  -  [HEADER_MALE_1X1]  121 68.9 180 bottom
K6#8  -  [HEADER_MALE_1X1]  121 107.3 180 bottom
K6#9  -  [HEADER_MALE_1X1]  98.6 68.9 180 bottom
K6#10  -  [HEADER_MALE_1X1]  9 145.7 180 bottom
K6#11  -  [HEADER_MALE_1X1]  76.2 30.5 180 bottom
K6#12  -  [HEADER_MALE_1X1]  165.8 68.9 180 bottom
K6#13  -  [HEADER_MALE_1X1]  165.8 145.7 180 bottom
K6#14  -  [HEADER_MALE_1X1]  9 107.3 180 bottom
K6#15  -  [HEADER_MALE_1X1]  9 184.1 180 bottom
K6#16  -  [HEADER_MALE_1X1]  121 145.7 180 bottom
K6#17  -  [HEADER_MALE_1X1]  98.6 30.5 180 bottom
K6#18  -  [HEADER_MALE_1X1]  143.4 30.5 180 bottom
K6#19  -  [HEADER_MALE_1X1]  165.8 30.5 180 bottom
K6#20  -  [HEADER_MALE_1X1]  31.4 145.7 180 bottom
K6#21  -  [HEADER_MALE_1X1]  143.4 145.7 180 bottom
K6#22  -  [HEADER_MALE_1X1]  76.2 184.1 180 bottom
K6#23  -  [HEADER_MALE_1X1]  53.8 107.3 180 bottom
K6#24  -  [HEADER_MALE_1X1]  9 68.9 180 bottom
K6#25  -  [HEADER_MALE_1X1]  143.4 184.1 180 bottom
K6#26  -  [HEADER_MALE_1X1]  98.6 107.3 180 bottom
K6#27  -  [HEADER_MALE_1X1]  121 184.1 180 bottom
K6#28  -  [HEADER_MALE_1X1]  9 30.5 180 bottom
K6#29  -  [HEADER_MALE_1X1]  76.2 107.3 180 bottom
K6#30  -  [HEADER_MALE_1X1]  53.8 68.9 180 bottom
K6#31  -  [HEADER_MALE_1X1]  31.4 107.3 180 bottom
K6#32  -  [HEADER_MALE_1X1]  165.8 107.3 180 bottom
K6#33  -  [HEADER_MALE_1X1]  143.4 107.3 180 bottom
K6#34  -  [HEADER_MALE_1X1]  76.2 145.7 180 bottom
K6#35  -  [HEADER_MALE_1X1]  53.8 145.7 180 bottom
K6#36  -  [HEADER_MALE_1X1]  53.8 30.5 180 bottom
K6#37  -  [HEADER_MALE_1X1]  143.4 68.9 180 bottom
K6#38  -  [HEADER_MALE_1X1]  98.6 184.1 180 bottom
K6#39  -  [HEADER_MALE_1X1]  31.4 30.5 180 bottom
K6#40  -  [HEADER_MALE_1X1]  121 30.5 180 bottom
K7  -  [JST-2pin-SMD]  106.6 109.8 0 top
K7#2  -  [JST-2pin-SMD]  173.8 71.4 0 top
K7#3  -  [JST-2pin-SMD]  173.8 109.8 0 top
K7#4  -  [JST-2pin-SMD]  39.4 33 0 top
K7#5  -  [JST-2pin-SMD]  84.2 71.4 0 top
K7#6  -  [JST-2pin-SMD]  84.2 186.6 0 top
K7#7  -  [JST-2pin-SMD]  151.4 186.6 0 top
K7#8  -  [JST-2pin-SMD]  151.4 71.4 0 top
K7#9  -  [JST-2pin-SMD]  151.4 109.8 0 top
K7#10  -  [JST-2pin-SMD]  129 109.8 0 top
K7#11  -  [JST-2pin-SMD]  61.8 186.6 0 top
K7#12  -  [JST-2pin-SMD]  129 33 0 top
K7#13  -  [JST-2pin-SMD]  84.2 148.2 0 top
K7#14  -  [JST-2pin-SMD]  61.8 71.4 0 top
K7#15  -  [JST-2pin-SMD]  39.4 109.8 0 top
K7#16  -  [JST-2pin-SMD]  17 33 0 top
K7#17  -  [JST-2pin-SMD]  151.4 33 0 top
K7#18  -  [JST-2pin-SMD]  129 148.2 0 top
K7#19  -  [JST-2pin-SMD]  61.8 109.8 0 top
K7#20  -  [JST-2pin-SMD]  61.8 148.2 0 top
K7#21  -  [JST-2pin-SMD]  17 186.6 0 top
K7#22  -  [JST-2pin-SMD]  129 186.6 0 top
K7#23  -  [JST-2pin-SMD]  106.6 148.2 0 top
K7#24  -  [JST-2pin-SMD]  39.4 148.2 0 top
K7#25  -  [JST-2pin-SMD]  173.8 148.2 0 top
K7#26  -  [JST-2pin-SMD]  173.8 186.6 0 top
K7#27  -  [JST-2pin-SMD]  106.6 71.4 0 top
K7#28  -  [JST-2pin-SMD]  17 109.8 0 top
K7#29  -  [JST-2pin-SMD]  129 71.4 0 top
K7#30  -  [JST-2pin-SMD]  84.2 33 0 top
K7#31  -  [JST-2pin-SMD]  17 71.4 0 top
K7#32  -  [JST-2pin-SMD]  39.4 71.4 0 top
K7#33  -  [JST-2pin-SMD]  61.8 33 0 top
K7#34  -  [JST-2pin-SMD]  173.8 33 0 top
K7#35  -  [JST-2pin-SMD]  39.4 186.6 0 top
K7#36  -  [JST-2pin-SMD]  106.6 33 0 top
K7#37  -  [JST-2pin-SMD]  17 148.2 0 top
K7#38  -  [JST-2pin-SMD]  106.6 186.6 0 top
K7#39  -  [JST-2pin-SMD]  151.4 148.2 0 top
K7#40  -  [JST-2pin-SMD]  84.2 109.8 0 top
NOREF  -  [buzzardLabel]  136 52.4 90 top
NOREF#2  -  [buzzardLabel]  27.2 98.8 90 top
NOREF#3  -  [buzzardLabel]  53.8 185.6 90 top
NOREF#4  -  [buzzardLabel]  35.9 11.5 90 top
NOREF#5  -  [buzzardLabel]  98.6 70.4 90 top
NOREF#6  -  [buzzardLabel]  58.3 126.7 90 top
NOREF#7  -  [buzzardLabel]  147.9 126.7 90 top
NOREF#8  -  [buzzardLabel]  91.2 167.6 90 top
NOREF#9  -  [buzzardLabel]  58.3 88.3 90 top
NOREF#10  -  [buzzardLabel]  161.6 92.8 90 top
NOREF#11  -  [buzzardLabel]  92.2 70.4 90 top
NOREF#12  -  [buzzardLabel]  165.8 185.6 90 top
NOREF#13  -  [buzzardLabel]  96.4 20 90 top
NOREF#14  -  [buzzardLabel]  114.6 108.8 90 top
NOREF#15  -  [buzzardLabel]  96.4 135.2 90 top
NOREF#16  -  [buzzardLabel]  49.6 54.4 90 top
NOREF#17  -  [buzzardLabel]  178.8 57.4 90 top
NOREF#18  -  [buzzardLabel]  32.2 173.6 90 top
NOREF#19  -  [buzzardLabel]  159.4 108.8 90 top
NOREF#20  -  [buzzardLabel]  92.2 44.4 90 top
NOREF#21  -  [buzzardLabel]  69.8 185.6 90 top
NOREF#22  -  [buzzardLabel]  139.2 131.2 90 top
NOREF#23  -  [buzzardLabel]  116.8 137.2 90 top
NOREF#24  -  [buzzardLabel]  49.6 22 90 top
NOREF#25  -  [buzzardLabel]  32.2 96.8 90 top
NOREF#26  -  [buzzardLabel]  141.2 173.6 90 top
NOREF#27  -  [buzzardLabel]  92.2 159.6 90 top
NOREF#28  -  [buzzardLabel]  69.8 6 90 top
NOREF#29  -  [buzzardLabel]  158.4 52.4 90 top
NOREF#30  -  [buzzardLabel]  161.6 98.8 90 top
NOREF#31  -  [buzzardLabel]  27.2 54.4 90 top
NOREF#32  -  [buzzardLabel]  49.6 98.8 90 top
NOREF#33  -  [buzzardLabel]  47.4 44.4 90 top
NOREF#34  -  [buzzardLabel]  141.2 96.8 90 top
NOREF#35  -  [buzzardLabel]  66.8 19 90 top
NOREF#36  -  [buzzardLabel]  53.8 32 90 top
NOREF#37  -  [buzzardLabel]  111.6 95.8 90 top
NOREF#38  -  [buzzardLabel]  139.2 92.8 90 top
NOREF#39  -  [buzzardLabel]  53.8 82.8 90 top
NOREF#40  -  [buzzardLabel]  76.2 159.6 90 top
NOREF#41  -  [buzzardLabel]  6.8 58.4 90 top
NOREF#42  -  [buzzardLabel]  165.8 159.6 90 top
NOREF#43  -  [buzzardLabel]  22 172.6 90 top
NOREF#44  -  [buzzardLabel]  166.6 20 90 top
NOREF#45  -  [buzzardLabel]  46.4 167.6 90 top
NOREF#46  -  [buzzardLabel]  22 95.8 90 top
NOREF#47  -  [buzzardLabel]  80.7 49.9 90 top
NOREF#48  -  [buzzardLabel]  144.2 173.6 90 top
NOREF#49  -  [buzzardLabel]  180.8 167.6 90 top
NOREF#50  -  [buzzardLabel]  96.4 58.4 90 top
NOREF#51  -  [buzzardLabel]  118.8 58.4 90 top
NOREF#52  -  [buzzardLabel]  96.4 96.8 90 top
NOREF#53  -  [buzzardLabel]  35.9 165.1 90 top
NOREF#54  -  [buzzardLabel]  49.6 169.6 90 top
NOREF#55  -  [buzzardLabel]  27.2 60.4 90 top
NOREF#56  -  [buzzardLabel]  31.4 121.2 90 top
NOREF#57  -  [buzzardLabel]  72 54.4 90 top
NOREF#58  -  [buzzardLabel]  31.4 108.8 90 top
NOREF#59  -  [buzzardLabel]  184 16 90 top
NOREF#60  -  [buzzardLabel]  31.4 44.4 90 top
NOREF#61  -  [buzzardLabel]  161.6 16 90 top
NOREF#62  -  [buzzardLabel]  94.4 98.8 90 top
NOREF#63  -  [buzzardLabel]  181.8 121.2 90 top
NOREF#64  -  [buzzardLabel]  51.6 135.2 90 top
NOREF#65  -  [buzzardLabel]  139.2 16 90 top
NOREF#66  -  [buzzardLabel]  58.3 49.9 90 top
NOREF#67  -  [buzzardLabel]  58.3 165.1 90 top
NOREF#68  -  [buzzardLabel]  181.8 82.8 90 top
NOREF#69  -  [buzzardLabel]  158.4 129.2 90 top
NOREF#70  -  [buzzardLabel]  25 108.8 90 top
NOREF#71  -  [buzzardLabel]  66.8 172.6 90 top
NOREF#72  -  [buzzardLabel]  136 167.6 90 top
NOREF#73  -  [buzzardLabel]  77 135.2 90 top
NOREF#74  -  [buzzardLabel]  25 159.6 90 top
NOREF#75  -  [buzzardLabel]  44.4 172.6 90 top
NOREF#76  -  [buzzardLabel]  139.2 60.4 90 top
NOREF#77  -  [buzzardLabel]  74 135.2 90 top
NOREF#78  -  [buzzardLabel]  68.8 90.8 90 top
NOREF#79  -  [buzzardLabel]  25 44.4 90 top
NOREF#80  -  [buzzardLabel]  29.2 135.2 90 top
NOREF#81  -  [buzzardLabel]  25 32 90 top
NOREF#82  -  [buzzardLabel]  178.8 95.8 90 top
NOREF#83  -  [buzzardLabel]  159.4 32 90 top
NOREF#84  -  [buzzardLabel]  98.6 147.2 90 top
NOREF#85  -  [buzzardLabel]  137 108.8 90 top
NOREF#86  -  [buzzardLabel]  22 19 90 top
NOREF#87  -  [buzzardLabel]  24 52.4 90 top
NOREF#88  -  [buzzardLabel]  92.2 147.2 90 top
NOREF#89  -  [buzzardLabel]  22 57.4 90 top
NOREF#90  -  [buzzardLabel]  121 147.2 90 top
NOREF#91  -  [buzzardLabel]  9.8 173.6 90 top
NOREF#92  -  [buzzardLabel]  166.6 135.2 90 top
NOREF#93  -  [buzzardLabel]  24 14 90 top
NOREF#94  -  [buzzardLabel]  116.8 92.8 90 top
NOREF#95  -  [buzzardLabel]  143.4 185.6 90 top
NOREF#96  -  [buzzardLabel]  184 98.8 90 top
NOREF#97  -  [buzzardLabel]  147.9 49.9 90 top
NOREF#98  -  [buzzardLabel]  136 129.2 90 top
NOREF#99  -  [buzzardLabel]  47.4 108.8 90 top
NOREF#100  -  [buzzardLabel]  29.2 173.6 90 top
NOREF#101  -  [buzzardLabel]  29.2 96.8 90 top
NOREF#102  -  [buzzardLabel]  166.6 58.4 90 top
NOREF#103  -  [buzzardLabel]  161.6 169.6 90 top
NOREF#104  -  [buzzardLabel]  32.2 58.4 90 top
NOREF#105  -  [buzzardLabel]  6.8 96.8 90 top
